# Altium PCB GE21_M1_pku_f100.PcbDoc (part 10 of 19)
Units mm, origin at the board's own origin, x right, y up, seen from the top; angles counter-clockwise.
Board outline 423.9 x 668.59 mm, 8 copper layers (Top Layer, Signal 1, DGNG1, POWER, AGND, DGND2, Signal 2, Bottom Layer), stack 1.03 mm thick; 171 components, 336 nets, 2040 pads, 4872 vias.
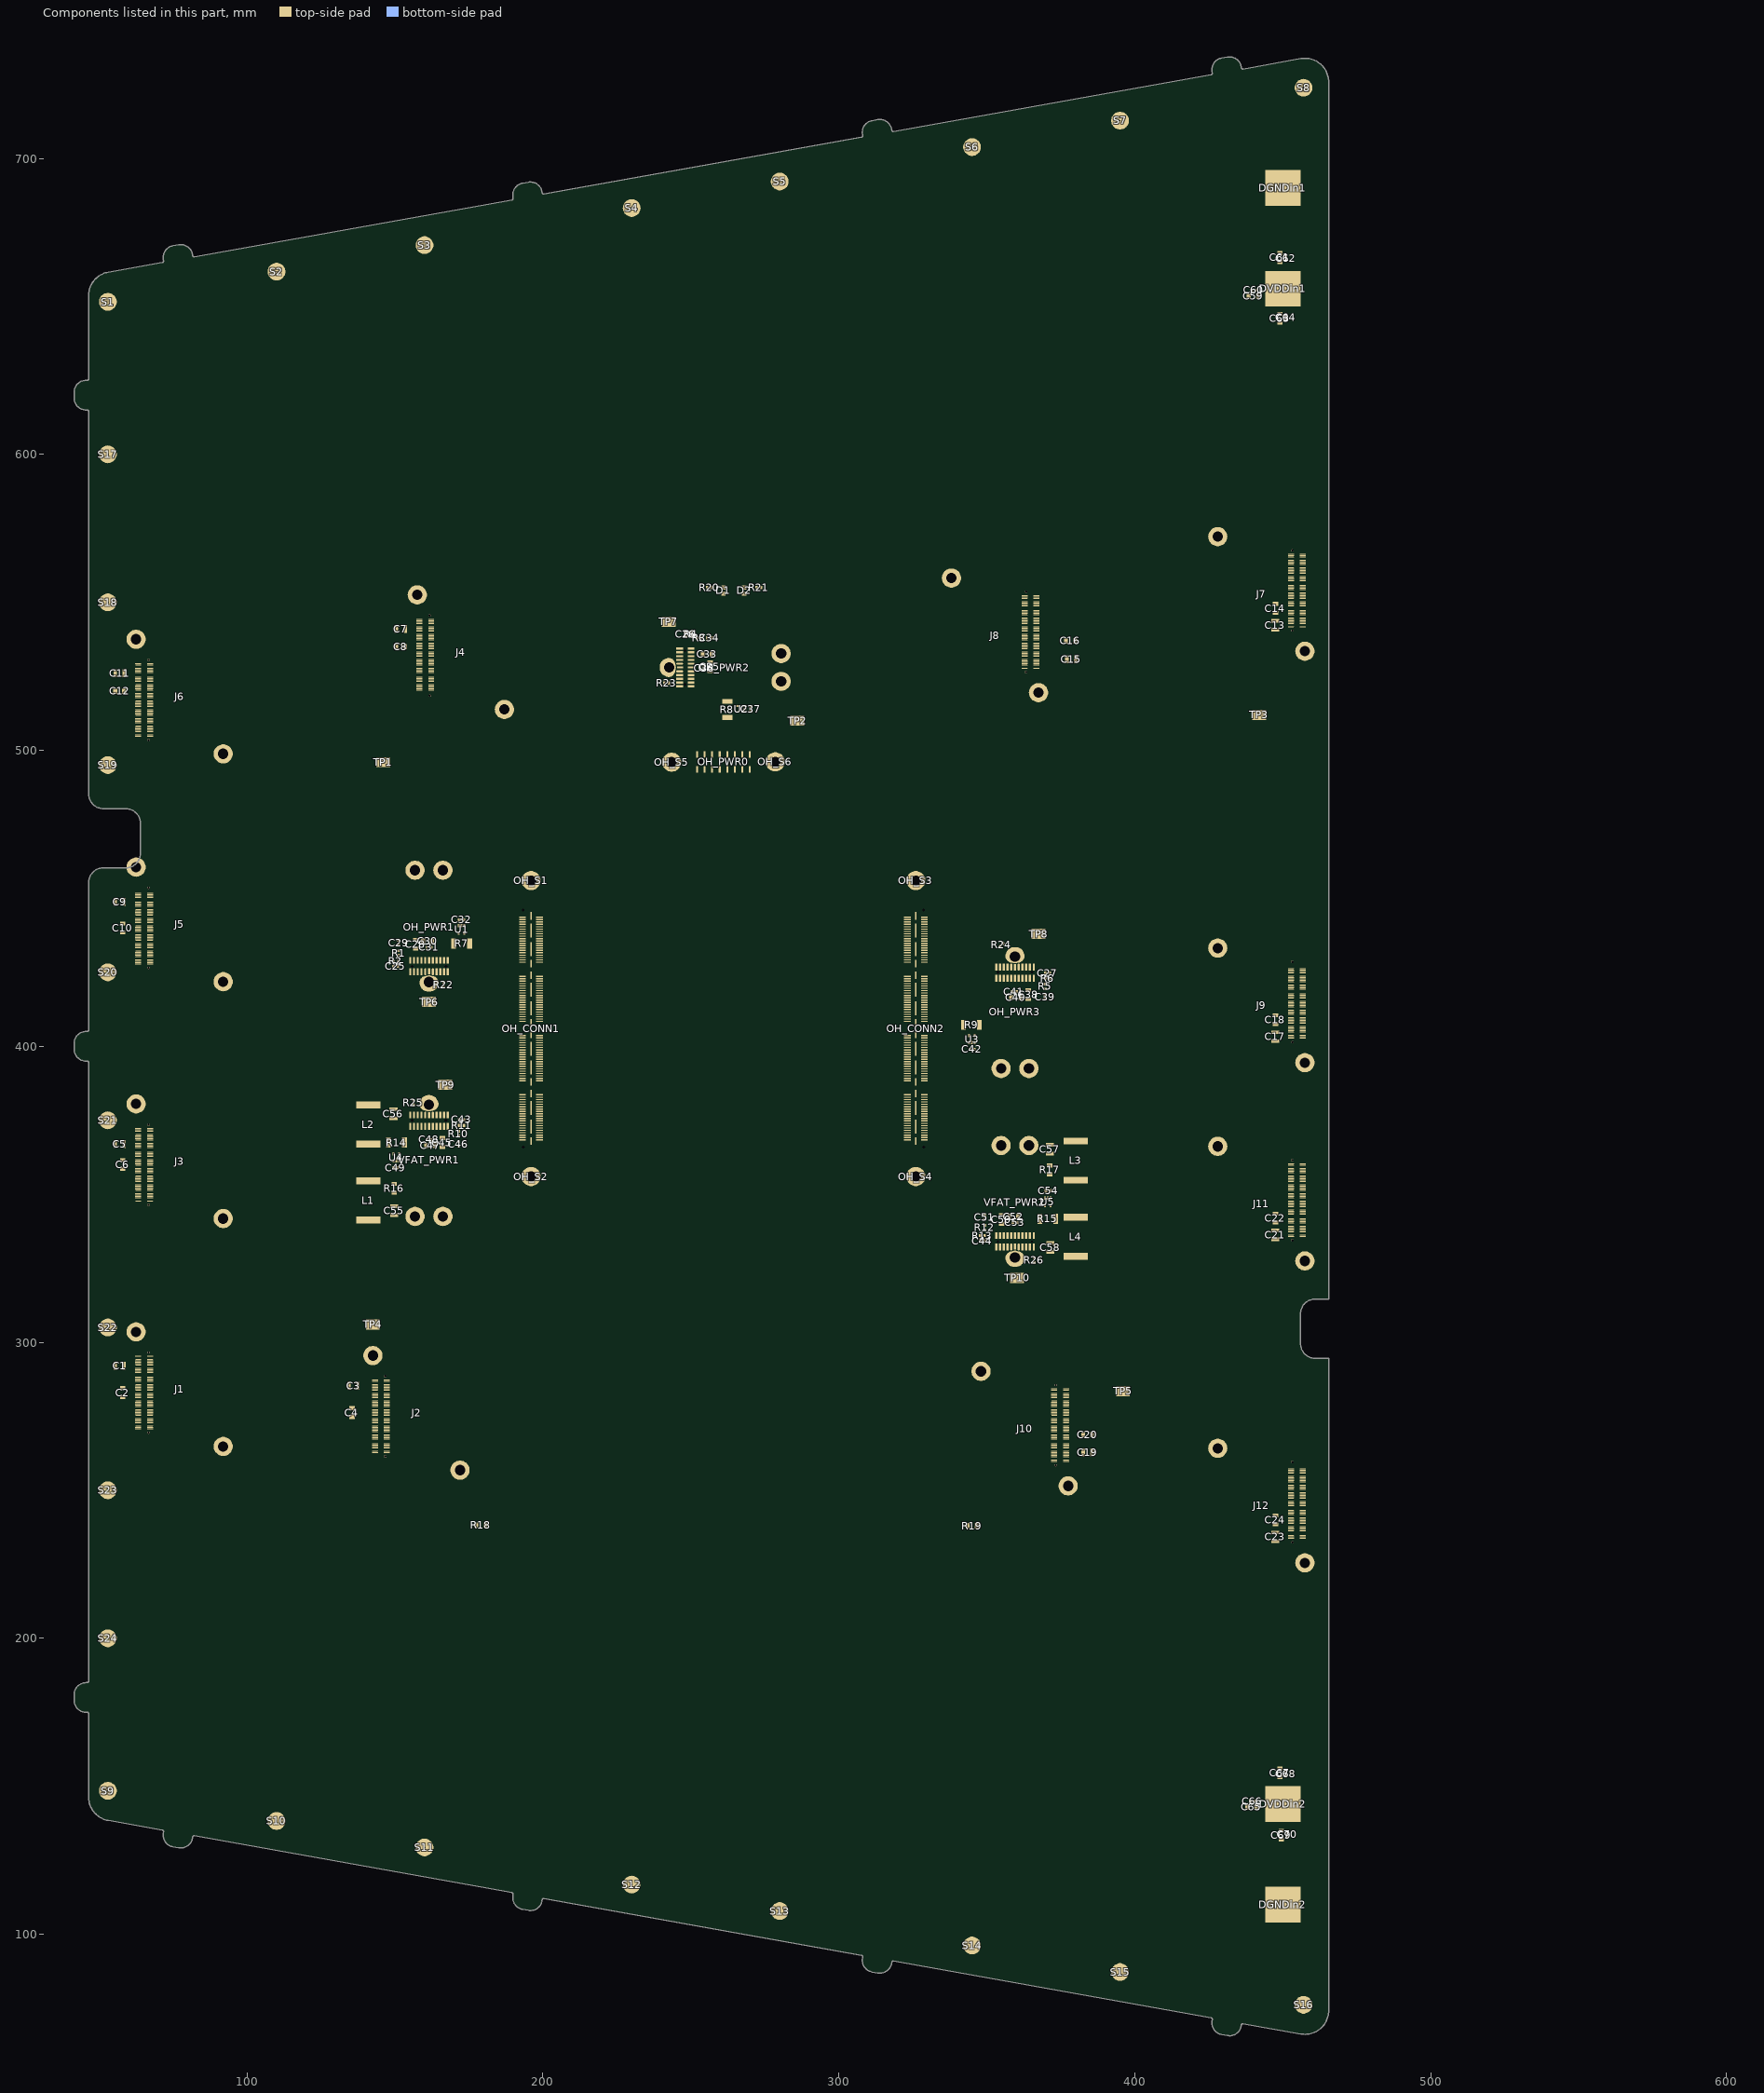
[diagram p16: the components of this part, seen from the top]

## Via types
v1: diameter 0.508, hole 0.203, Top Layer to Bottom Layer, tented both sides, 1688 vias
v2: diameter 0.402/0.402/0.402/0.201 (per signal layer), hole 0.201, Top Layer to Bottom Layer, tented both sides, 1040 vias
v3: diameter 0.507, hole 0.202, Top Layer to Bottom Layer, tented both sides, 780 vias
v4: diameter 0.4, hole 0, Top Layer to Bottom Layer, tented both sides, 438 vias
v5: diameter 0.4, hole 0.2, Top Layer to Bottom Layer, tented both sides, 288 vias
v6: diameter 0.51, hole 0.204, Top Layer to Bottom Layer, tented both sides, 288 vias
v7: diameter 0.6/0.4/0.4/0.4 (per signal layer), hole 0.3, Top Layer to Bottom Layer, tented both sides, 254 vias
v8: diameter 0.402, hole 0.201, Top Layer to Bottom Layer, tented both sides, 96 vias

## Nets (pads, with @x,y where several pads share a name; then routed paths per layer and width w, separated by ;. In a path a pad name is that pad's centre, name@x,y a point inside that pad or via, vN(x,y) a via of type N, cw(c..) or ccw(c..) an arc to the next point about the centre after c; other vN are vias at no path point) (continued)
pads on no net: J1.2 J1.4 J1.6 J1.8 J1.10 J1.12 J1.14 J1.16 J1.18 J1.20 J1.22 J1.24 J1.26 J1.28 J1.30 J1.32 J1.34 J1.36 J1.38 J1.40 J1.42 J1.44 J1.46 J1.48 J1.50 J1.101 J1.102 J1.103 J1.104 J2.2 J2.4 J2.6 J2.8 J2.10 J2.12 J2.14 J2.16 J2.18 J2.20 J2.22 J2.24 J2.26 J2.28 J2.30 J2.32 J2.34 J2.36 J2.38 J2.40 J2.42 J2.44 J2.46 J2.48 J2.50 J2.101 J2.102 J2.103 J2.104 J3.2 J3.4 J3.6 J3.8 J3.10 J3.12 J3.14 J3.16 J3.18 J3.20 J3.22 J3.24 J3.26 J3.28 J3.30 J3.32 J3.34 J3.36 J3.38 J3.40 J3.42 J3.44 J3.46 J3.48 J3.50 J3.101 J3.102 J3.103 J3.104 J4.2 J4.4 J4.6 J4.8 J4.10 J4.12 J4.14 J4.16 J4.18 J4.20 J4.22 J4.24 J4.26 J4.28 J4.30 J4.32 J4.34 J4.36 J4.38 J4.40 J4.42 J4.44 J4.46 J4.48 J4.50 J4.101 J4.102 J4.103 J4.104 J5.2 J5.4 J5.6 J5.8 J5.10 J5.12 J5.14 J5.16 J5.18 J5.20 J5.22 J5.24 J5.26 J5.28 J5.30 J5.32 J5.34 J5.36 J5.38 J5.40 J5.42 J5.44 J5.46 J5.48 J5.50 J5.101 J5.102 J5.103 J5.104 J6.2 J6.4 J6.6 J6.8 J6.10 J6.12 J6.14 J6.16 J6.18 J6.20 J6.22 J6.24 J6.26 J6.28 J6.30 J6.32 J6.34 J6.36 J6.38 J6.40 J6.42 J6.44 J6.46 J6.48 J6.50 J6.101 J6.102 J6.103 J6.104 J7.2 J7.4 J7.6 J7.8 J7.10 J7.12 J7.14 J7.16 J7.18 J7.20 J7.22 J7.24 J7.26 J7.28 J7.30 J7.32 J7.34 J7.36 J7.38 J7.40 J7.42 J7.44 J7.46 J7.48 J7.50 J7.101 J7.102 J7.103 J7.104 J8.2 J8.4 J8.6 J8.8 J8.10 J8.12 J8.14 J8.16 J8.18 J8.20 J8.22 J8.24 J8.26 J8.28 J8.30 J8.32 J8.34 J8.36 J8.38 J8.40 J8.42 J8.44 J8.46 J8.48 J8.50 J8.101 J8.102 J8.103 J8.104 J9.2 J9.4 J9.6 J9.8 J9.10 J9.12 J9.14 J9.16 J9.18 J9.20 J9.22 J9.24 J9.26 J9.28 J9.30 J9.32 J9.34 J9.36 J9.38 J9.40 J9.42 J9.44 J9.46 J9.48 J9.50 J9.101 J9.102 J9.103 J9.104 J10.2 J10.4 J10.6 J10.8 J10.10 J10.12 J10.14 J10.16 J10.18 J10.20 J10.22 J10.24 J10.26 J10.28 J10.30 J10.32 J10.34 J10.36 J10.38 J10.40 J10.42 J10.44 J10.46 J10.48 J10.50 J10.101 J10.102 J10.103 J10.104 J11.2 J11.4 J11.6 J11.8 J11.10 J11.12 J11.14 J11.16 J11.18 J11.20 J11.22 J11.24 J11.26 J11.28 J11.30 J11.32 J11.34 J11.36 J11.38 J11.40 J11.42 J11.44 J11.46 J11.48 J11.50 J11.101 J11.102 J11.103 J11.104 J12.2 J12.4 J12.6 J12.8 J12.10 J12.12 J12.14 J12.16 J12.18 J12.20 J12.22 J12.24 J12.26 J12.28 J12.30 J12.32 J12.34 J12.36 J12.38 J12.40 J12.42 J12.44 J12.46 J12.48 J12.50 J12.101 J12.102 J12.103 J12.104 OH_CONN1.177 OH_CONN1.178 OH_CONN2.177 OH_CONN2.178 OH_PWR0. OH_PWR1.0 OH_PWR1.23 OH_PWR1.24 OH_PWR1.25 OH_PWR1.26 OH_PWR1.27 OH_PWR2.0 OH_PWR2.23 OH_PWR2.24 OH_PWR2.25 OH_PWR2.26 OH_PWR2.27 OH_PWR3.0 OH_PWR3.23 OH_PWR3.24 OH_PWR3.25 OH_PWR3.26 OH_PWR3.27 OH_S1.1 OH_S2.1 OH_S3.1 OH_S4.1 OH_S5.1 OH_S6.1 VFAT_PWR1.0 VFAT_PWR1.23 VFAT_PWR1.24 VFAT_PWR1.25 VFAT_PWR1.26 VFAT_PWR1.27 VFAT_PWR2.0 VFAT_PWR2.23 VFAT_PWR2.24 VFAT_PWR2.25 VFAT_PWR2.26 VFAT_PWR2.27
copper on no net: | length 30977.2